# KiCad board AmigaPCI 68040.kicad_pcb (continued)
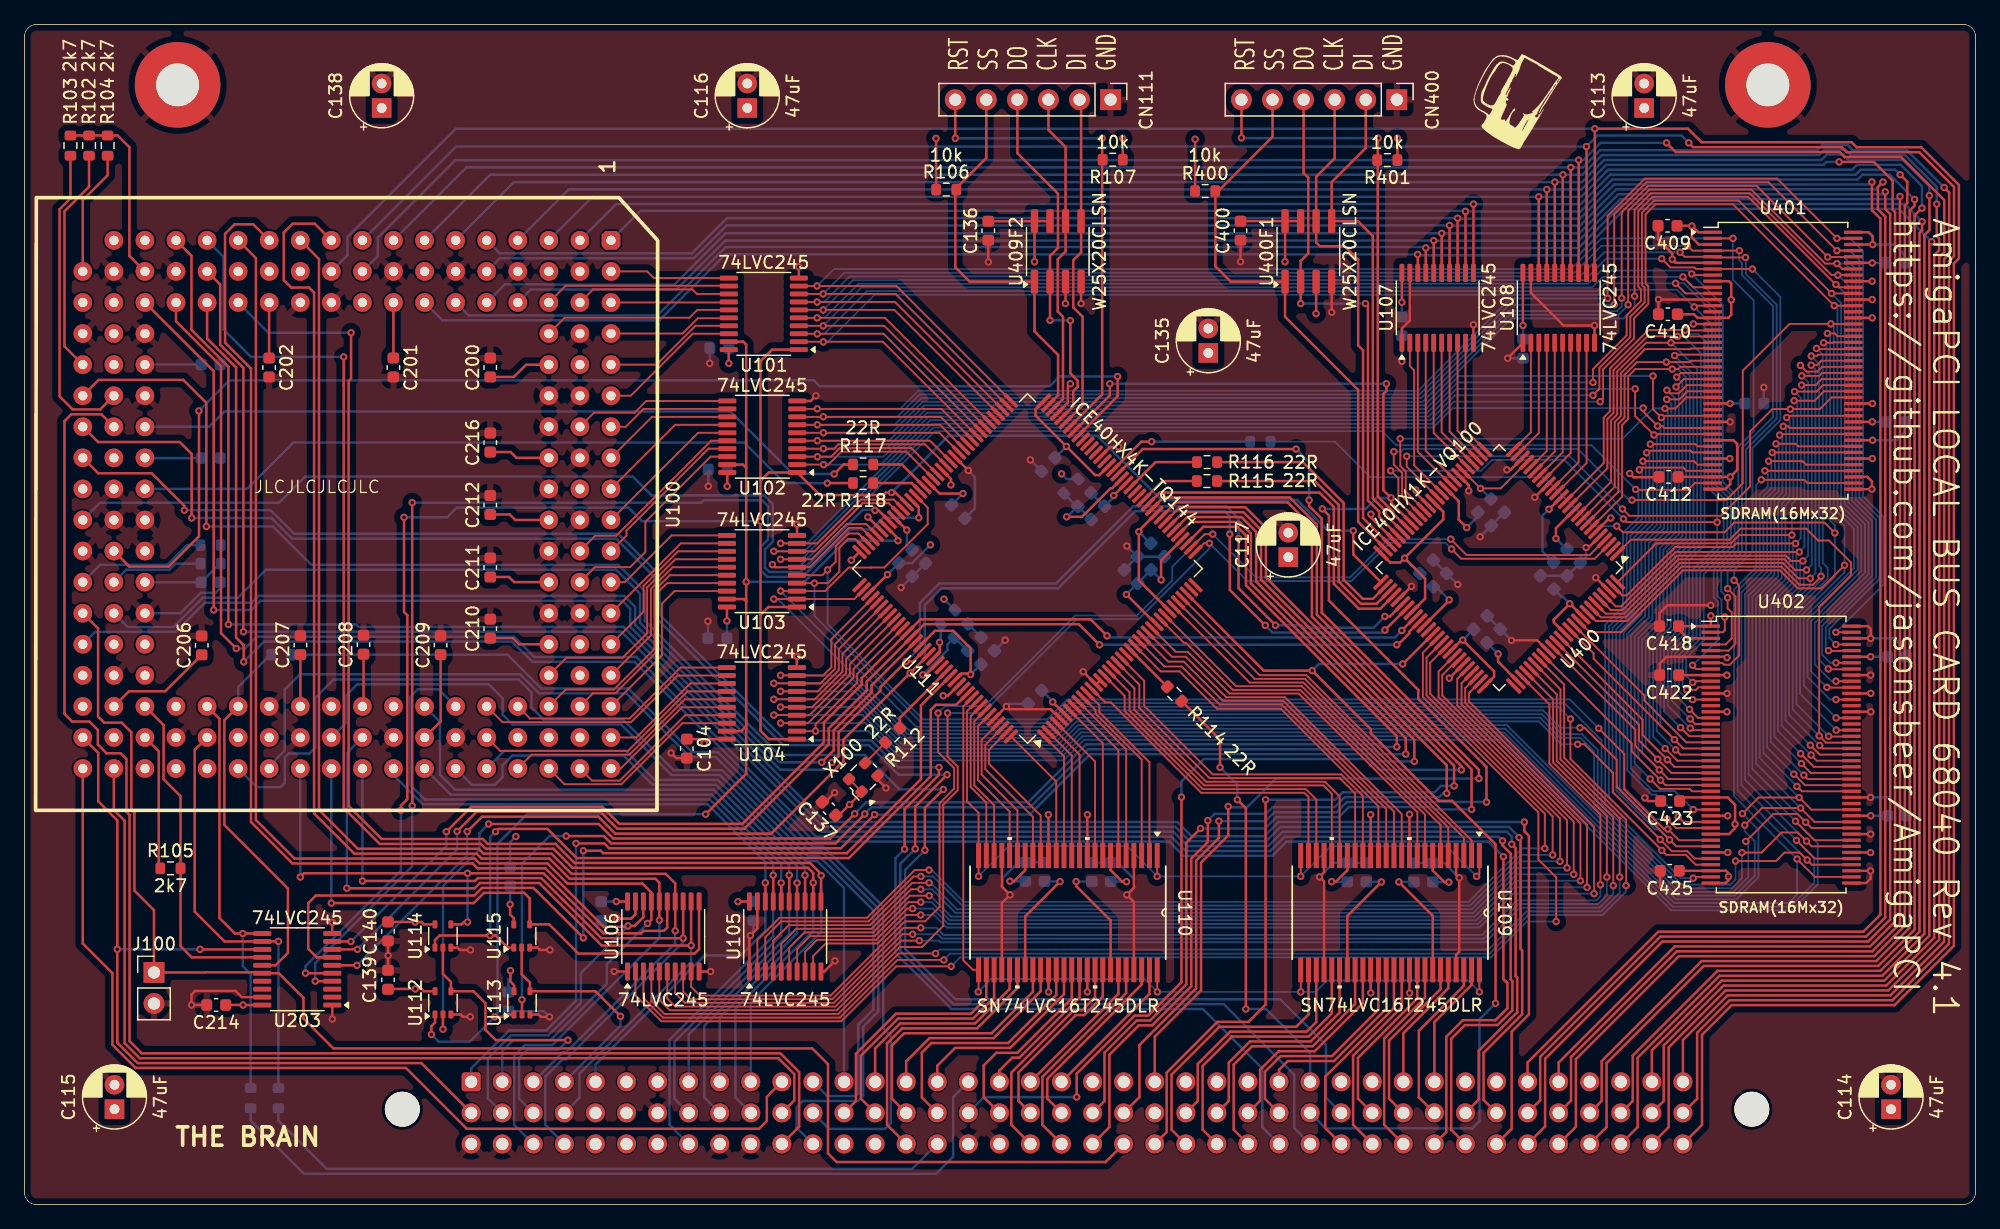
[diagram p0: board, top side]
## Routing (per net, layer and track width the routed paths; a pad name or vN(x,y) marks a point on that pad's centre or on a via; arc(x,y) is an arc through that point) (continued)
_CPURST: length 121.3
  Top w0.2: U100.151 6.29,64.6 3.83,64.6 3.27,64.04 3.27,40.11 3.9,39.48 5.31,39.48 6,38.79 6,37.6 6.71,36.89 7.86,36.89 8.34,36.41 8.34,32.1 8.59,31.85 8.59,13.36 9.59,12.36 61.79,12.36 63.33,10.83 63.33,6.36 CN100.c11
_DMA: length 64.7
  Top w0.2: U114.1 33.56,21.61 33.94,21.99 v1(38.07,21.99) 38.52,21.99 39.51,21 U115.1 ; v1(38.51,30.48) 38.73,30.71 42.75,30.71 45.14,28.32 67.4,28.32 74.09,35.01 74.09,40.43 74.51,40.85 76.16,40.85 U111.134
  Bottom w0.2: v1(38.07,21.99) 38.07,30.04 v1(38.51,30.48)
_EM0CS: length 21.5
  Top w0.15: U400.9 130,58.68 130,63.97 130.5,64.47 130.5,67.97 132.46,69.93 136.18,69.93 136.24,69.98 U401.20
_EM1CS: length 15.4
  Top w0.15: U400.90 132.43,41.6 132.43,41.2 135.85,37.78 U402.20
_EMCAS: length 58.5
  Top w0.15: v1(136.17,38.94) 136.33,38.78 U402.18 ; 137.99,70.97 135.14,70.97 v1(135.14,70.97) 135.13,70.98 132.67,70.98 129.9,68.21 129.9,64.72 129.4,64.22 129.4,60.2 U400.12
  Bottom w0.15: v1(136.17,38.94) 134.34,40.77 134.34,45.3 135.78,46.74 135.78,52.79 137.04,54.05 137.04,69.59 135.66,70.97 v1(135.14,70.97)
_EMRAS: length 58.5
  Top w0.15: U400.10 129.7,59.09 129.7,64.09 130.2,64.59 130.2,68.09 132.57,70.45 v1(134.6,70.45) 134.6,70.45 137.97,70.45 ; v1(135.39,38.99) 136.09,38.28 U402.19
  Bottom w0.15: v1(135.39,38.99) 134.04,40.34 134.04,45.42 135.48,46.86 135.48,52.92 136.74,54.17 136.74,68.31 v1(134.6,70.45)
_EMWE: length 59.3
  Top w0.15: U402.17 136.58,39.28 v1(136.16,39.7) ; U400.13 129.1,60.61 129.1,64.34 129.6,64.84 129.6,68.34 132.76,71.5 135.75,71.5 v1(135.76,71.49) 135.79,71.46 137.98,71.46
  Bottom w0.15: 137.34,69.51 137.34,70.67 136.87,71.14 136.11,71.14 v1(135.76,71.49) ; 137.34,69.51 137.34,70.23 ; 137.34,69.51 137.34,53.92 136.08,52.67 136.08,46.61 134.64,45.17 134.64,41.22 v1(136.16,39.7)
_IPL0: length 139.9
  Top w0.2: v1(71.95,29.05) 71.95,32.31 74.76,35.12 v1(74.76,35.74) ; v1(13.07,56.76) 13.07,57.11 10.4,59.78 6.03,59.78 U100.169
  Bottom w0.2: v1(13.07,56.76) 20.12,56.76 22.05,54.83 48.53,54.83 51.92,51.45 51.92,48.23 62.2,37.95 69.21,37.95 71.42,35.74 v1(74.76,35.74) ; v1(71.95,29.05) 71.2,28.3 71.2,20.56 75.78,15.98 96.33,15.98 101.19,11.12 101.19,6.32 CN100.c27
_IPL1: length 146
  Top w0.2: v1(72.82,29.07) 72.82,32.54 v1(75.42,35.14) ; v1(13.67,56.12) 13.67,61.36 12.7,62.33 6.02,62.33 U100.168
  Bottom w0.2: v1(75.42,35.14) 71.46,35.14 69.04,37.55 62.03,37.55 51.52,48.06 51.52,51.28 48.37,54.43 21.88,54.43 20.19,56.12 v1(13.67,56.12) ; CN100.c28 103.8,6.25 103.8,10.62 98.04,16.38 75.94,16.38 71.6,20.73 71.6,27.85 v1(72.82,29.07)
_IPL2: length 150.1
  Top w0.2: v1(73.61,28.96) 73.61,32.43 v1(75.12,33.94) ; v1(14.87,55.43) 14.87,65.53 12.99,67.41 6.06,67.41 U100.167
  Bottom w0.2: v1(14.87,55.43) 20.32,55.43 23.45,52.29 48.53,52.29 50.72,50.11 50.72,47.73 61.7,36.75 68.71,36.75 71.53,33.94 v1(75.12,33.94) ; v1(73.61,28.96) 72,27.35 72,20.89 76.11,16.78 102.66,16.78 106.4,13.04 106.4,8.73 CN100.b29
_LBEN: length 28.6
  Top w0.2: U400.54 110.84,48.71 109.08,48.71 107.04,50.75 107.04,57.03 105.86,58.2 92.8,58.2 U111.48
_LLBE: length 72.1
  Top w0.15: v1(136.12,40.48) 136.82,39.78 U402.16 ; v1(138.37,55.78) 130.98,55.78 v1(130.71,56.05) ; U401.16 v1(136.43,71.98) ; U400.42 112.32,57.48 112.32,59.36 v1(111.69,59.99)
  Bottom w0.15: v1(130.71,56.05) 125.89,60.87 119.97,60.87 119.08,59.99 v1(111.69,59.99) ; v1(136.43,71.98) 137.1,71.98 137.64,71.44 137.64,58.6 138.37,57.86 v1(138.37,55.78) 138.37,53.89 136.38,51.9 136.38,46.49 134.94,45.05 134.94,41.66 v1(136.12,40.48)
_LMBE: length 93.8
  Top w0.15: v1(148.1,39.78) U402.71 ; U400.41 112.62,57.88 112.62,59.82 111.94,60.49 v1(111.94,61.55) ; v1(131.41,57.59) 139.11,57.59 140.47,58.95 140.47,68.17 144.29,71.99 v1(147.68,71.99) 147.69,71.98 U401.71
  Bottom w0.15: v1(111.94,61.55) 112.52,61.55 112.75,61.77 126.98,61.77 131.16,57.59 v1(131.41,57.59) ; v1(148.1,39.78) 145.45,42.43 145.45,47.93 149.56,52.03 149.56,55.25 147.91,56.9 147.91,71.76 v1(147.68,71.99)
_LOCK: length 82.2
  Top w0.2: U100.162 7.31,32.25 8.19,31.37 8.19,13.19 9.42,11.96 61.63,11.96 62.93,10.66 62.93,8.5 CN100.b11
_RESET: length 82.8
  Top w0.2: U400.63 112.69,44.19 v1(112.67,44.19) ; U111.34 101.3,43.65 v1(105.27,43.65) 110.07,38.85 110.07,38.53 115.59,33 116.71,33 120.26,29.45 v1(120.26,16.45)
  Bottom w0.2: v1(105.27,43.65) 105.81,44.19 v1(112.67,44.19) ; CN100.b28 106.37,6.22 118.36,6.22 118.95,6.81 118.95,15.14 v1(120.26,16.45)
_RSTOUT: length 171.8
  Top w0.2: U100.129 15.47,68.12 v1(15.47,48.6) ; CN100.c34 121.58,6.19 121.58,14.13 122.99,15.54 122.99,30.14 122.62,30.51 v1(122.62,31.27)
  Bottom w0.2: v1(122.62,31.27) 102.51,31.27 101.35,30.1 95.42,30.1 94.25,31.27 65.48,31.27 49.52,47.24 49.52,48.7 48.87,49.35 19.3,49.35 18.55,48.6 v1(15.47,48.6)
_TA-CPU: length 138.8
  Top w0.2: v1(66.01,36.14) 66.55,36.68 66.55,38.6 69.98,42.02 69.98,42.3 v1(72.07,44.4) 72.64,44.4 U111.124 ; v1(99.25,54.45) 99.25,50.38 v1(102.27,47.36) ; v1(111.21,48.07) 111.62,48.07 U400.56
  Bottom w0.2: v1(72.07,44.4) 73.2,45.53 73.2,49.17 74.8,50.77 84.33,50.77 90.64,57.08 98.26,57.08 99.25,56.09 v1(99.25,54.45) ; v1(66.01,36.14) 65.43,35.55 61.77,35.55 49.92,47.4 49.92,48.87 49.03,49.75 19.13,49.75 18.58,49.2 14.74,49.2 12.35,46.81 5.78,46.81 U100.175 ; v1(111.21,48.07) 110.29,47.16 104.6,47.16 104.4,47.36 v1(102.27,47.36)
_TACK: length 93.8
  Top w0.2: v1(118.3,32.3) 118.3,35.57 105.65,48.22 105.65,55.59 103.43,57.8 93.11,57.8 U111.47 ; CN100.b21 88.29,8.47 88.29,12.42 90.92,15.05 92.02,15.05 94.98,18.01 94.98,29.59 v1(96.14,30.74)
  Bottom w0.2: v1(96.14,30.74) 101.42,30.74 102.35,31.67 107.44,31.67 108.27,32.5 115.1,32.5 115.3,32.3 v1(118.3,32.3)
_TBI: length 95.1
  Top w0.2: v1(98.41,32.54) 98.41,30.17 96.18,27.95 96.18,17.51 92.4,13.72 CN100.a23 ; v1(118.9,34.82) 118.9,35.54 106.05,48.39 106.05,56.07 105.02,57.1 v1(105.02,57.58) ; U111.55 91.41,61.76 v1(103.95,61.76)
  Bottom w0.2: v1(118.9,34.82) 102.3,34.82 99.95,32.47 98.48,32.47 v1(98.41,32.54) ; v1(103.95,61.76) 105.02,60.69 v1(105.02,57.58)
_TBI-CPU: length 101.6
  Top w0.2: v1(14.26,64.88) 14.27,64.87 14.27,54.63 11.79,52.15 8.58,52.15 U100.155 ; U111.64 89.36,66.08 v1(89.36,67.7)
  Bottom w0.2: v1(89.36,67.7) 84.62,67.7 83.82,66.9 65.02,66.9 64.54,67.37 16.75,67.37 v1(14.26,64.88)
_TCI: length 86.2
  Top w0.2: v1(101.46,33.09) 101.46,16.33 100.06,14.93 97.52,14.93 93.37,10.79 93.37,5.93 CN100.c23 ; U111.44 94.43,57 99.81,57 101.49,55.32 101.49,51.25 116.87,35.87 v1(116.87,34.22)
  Bottom w0.2: v1(101.46,33.09) 107.16,33.09 107.77,33.7 115.28,33.7 115.8,34.22 v1(116.87,34.22)
_TCI-CPU: length 77.1
  Top w0.2: U111.101 69.81,56.75 v1(69.53,56.75)
  Bottom w0.2: U100.171 6.18,57.37 20.82,57.37 22.96,59.51 49.73,59.51 51.27,57.97 60.47,57.97 61.18,57.26 61.18,54.19 60.54,53.55 60.54,52.06 60.89,51.71 63.45,51.71 68.54,56.8 69.48,56.8 v1(69.53,56.75)
_TEA: length 87.8
  Top w0.2: CN100.c21 88.69,6.33 88.69,12.25 91.09,14.65 92.19,14.65 95.38,17.84 95.38,28.28 96.74,29.63 v1(96.74,31.39) ; U111.43 94.74,56.6 99.64,56.6 101.09,55.16 101.09,51.09 116.27,35.91 v1(116.27,33.62)
  Bottom w0.2: v1(96.74,31.39) 97.29,31.94 101.49,31.94 102.03,32.48 107.12,32.48 107.94,33.3 115.65,33.3 115.97,33.62 v1(116.27,33.62)
_TEA-CPU: length 81.3
  Top w0.2: v1(65.18,36.15) 66.15,37.13 66.15,38.76 69.25,41.86 69.25,42.43 U111.122
  Bottom w0.2: U100.157 8.44,47.21 12.19,47.21 14.57,49.6 17.45,49.6 19.74,51.89 48.37,51.89 50.32,49.94 50.32,47.57 61.73,36.15 v1(65.18,36.15)
_TS: length 102
  Top w0.2: v1(86.02,8.78) 86.02,10.71 90.76,15.45 91.86,15.45 94.58,18.17 v1(94.58,33.3) ; U111.45 94.13,57.4 103.27,57.4 105.25,55.42 105.25,48.06 117.47,35.84 v1(117.47,35.53)
  Bottom w0.2: v1(86.02,8.78) 78.45,8.78 CN100.b17 ; v1(117.47,35.53) 110.74,35.53 109.85,36.42 96.41,36.42 94.58,34.59 v1(94.58,33.3)
_TS-3V: length 119.8
  Top w0.2: 66.95,37.88 66.95,36.23 61.05,30.32 48.3,30.32 46.91,31.71 37.41,31.71 v1(36.19,30.48) ; 66.95,37.88 66.95,38.01 ; 66.95,37.88 66.95,38.01 ; 66.95,38.01 v1(72.4,43.45) U111.125 ; v1(27.18,19.55) 27.17,19.56 25.16,19.56 ; v1(98.54,54.8) 98.54,50.25 v1(101.43,47.35) ; 113.01,48.75 v1(111.22,46.96)
  Bottom w0.2: v1(72.4,43.45) 73.6,44.65 73.6,49 74.97,50.37 84.49,50.37 90.8,56.68 98.09,56.68 98.54,56.24 v1(98.54,54.8) ; v1(101.43,47.35) 102.02,46.76 111.01,46.76 v1(111.22,46.96) ; v1(36.19,30.48) 36.19,28.56 v1(27.18,19.55)
_TS-CPU: length 27.9
  Top w0.2: U100.142 11.38,39.19 11.38,34.76 12.76,33.38 R105.2 12.76,21.12 13.67,20.21 U203.14
_UMBE: length 71
  Top w0.15: v1(134.11,65.08) 134.96,65.08 135.86,65.98 U401.28 ; U402.28 136.33,33.78 136.13,33.98 133.71,33.98 v1(132.9,34.79) ; v1(112.47,62.6) 112.47,62.6 112.47,60.38 112.92,59.94 112.92,58.29 U400.40
  Bottom w0.15: v1(112.47,62.6) 130.65,62.6 133.13,65.08 v1(134.11,65.08) 134.34,64.85 134.34,55.17 133.08,53.91 133.08,47.86 131.63,46.4 131.63,36.06 v1(132.9,34.79)
_UUBE: length 87.3
  Top w0.15: v1(113,61.17) 113,60.33 U400.37 ; U402.59 145.31,33.78 v1(144.9,34.19) ; v1(130.64,56.86) 131.2,56.31 138.67,56.31 141.07,58.7 141.07,63.2 142.89,65.03 v1(144.36,65.03) 146.77,65.03 147.73,65.98 U401.59
  Bottom w0.15: v1(113,61.17) 126.33,61.17 v1(130.64,56.86) ; v1(144.36,65.03) 144.61,64.78 144.61,57.82 143.96,57.17 143.96,51.1 142.15,49.29 142.15,36.94 v1(144.9,34.19)
A0: length 48.8
  Top w0.2: v1(22.55,26.77) 22.86,27.08 v1(36.22,27.08) 42.42,27.08 47.33,22.17 50.41,22.17 50.61,22.37 52.27,22.37 52.55,22.65 U106.15 ; U114.4 35.73,22.9 35.92,23.09 v1(36.22,23.09)
  Bottom w0.2: v1(36.22,23.09) v1(36.22,27.08) ; v1(22.55,26.77) U100.102
A0_OUT: length 126.5
  Top w0.2: U112.2 v1(34.21,14.33) ; v1(67.87,31.94) 65.85,29.92 48.13,29.92 46.94,31.11 v1(37.94,31.11) ; v1(112.19,37.42) 112.19,38.29 99.86,50.62 99.86,54.69 99.15,55.4 96.37,55.4 U111.39
  Bottom w0.2: 34.22,24.66 34.22,26.03 37.2,29.01 37.2,30.36 v1(37.94,31.11) ; 34.22,24.66 v1(34.21,14.33) ; 34.22,24.66 34.22,25.55 ; v1(112.19,37.42) 110.95,37.42 110.75,37.62 86.78,37.62 82.04,32.88 68.79,32.88 67.87,31.95 v1(67.87,31.94)
A1: length 48.8
  Top w0.2: v1(25.09,24.64) 36.73,24.64 37.57,25.48 40.85,25.48 41.3,25.03 U115.4 42.9,22.9 45.29,20.51 54.78,20.51 55.15,20.88 U106.11
  Bottom w0.2: U100.96 v1(25.09,24.64)
A1_OUT: length 119.4
  Top w0.2: 68.7,31.93 66.3,29.52 47.96,29.52 47.36,30.12 v1(44.29,30.12) ; v1(112.92,36.82) 112.92,38.13 101.95,49.09 100.26,50.79 100.26,54.86 99.31,55.8 95.35,55.8 U111.41 ; 40.67,15.35 40.67,16.74 v1(40.67,16.74)
  Bottom w0.2: v1(44.29,30.12) 42.93,30.12 40.67,27.86 v1(40.67,16.74) ; v1(68.7,31.93) 69.24,32.48 82.21,32.48 86.95,37.22 110.32,37.22 110.72,36.82 112.91,36.82 v1(112.92,36.82)
A2: length 64.9
  Top w0.2: v1(26.35,25.86) 26.36,25.85 36.8,25.85 37.23,26.28 42.09,26.28 47.2,21.17 v1(54.5,21.17) U106.12
  Bottom w0.2: CN100.b4 45.37,8.72 45.37,10.7 54.5,19.83 v1(54.5,21.17) ; U100.89 26.35,36.9 v1(26.35,25.86)
A3: length 63.4
  Top w0.2: v1(27.63,26.45) 36.84,26.45 37.07,26.68 42.25,26.68 44.26,24.67 ; 44.26,24.67 47.16,21.77 v1(53.85,21.77) U106.13 ; 44.26,24.67 43.86,25.07
  Bottom w0.2: v1(27.63,26.45) U100.90 ; CN100.c4 42.57,6.52 42.57,10.44 44,11.87 44.27,11.87 53.85,21.45 v1(53.85,21.77)
A4: length 60.3
  Top w0.2: v1(60.57,26.3) 60.57,24.78
  Bottom w0.2: CN100.a5 46.68,11.44 55.6,20.36 58.56,20.36 60.57,22.37 v1(60.57,26.3) 60.57,28 55.86,32.71 32.56,32.71 30.17,35.11
A5: length 58.3
  Top w0.2: v1(61.86,26.29) 61.86,24.78
  Bottom w0.2: U100.78 34.84,33.51 56.19,33.51 61.86,27.84 v1(61.86,26.29) 61.86,22.02 53.13,13.29 53.13,8.66 CN100.b8
A6: length 61
  Top w0.2: v1(62.52,26.92) 62.52,26.7 62.51,26.7 62.51,24.77
  Bottom w0.2: CN100.a8 54.3,13.89 62.52,22.11 v1(62.52,26.92) 62.52,27.75 56.35,33.91 35.19,33.91 33.97,35.13 33.97,39.46 U100.76
A7: length 59.2
  Top w0.2: v1(63.16,26.29) 63.16,24.78
  Bottom w0.2: U100.72 36.58,34.31 38.46,34.31 39.08,34.93 39.08,35.89 39.89,36.7 48.97,36.7 51.36,34.31 56.52,34.31 63.16,27.67 v1(63.16,26.29) 63.16,22.19 62.06,21.08 62.09,21.12 55.58,14.61 55.58,8.75 CN100.b9
A8: length 53.2
  Top w0.2: v1(63.81,26.92) 63.81,26.92 U105.13
  Bottom w0.2: U100.66 39.25,37.1 49.13,37.1 51.53,34.71 56.68,34.71 63.81,27.59 v1(63.81,26.92) 63.81,22.27 56.84,15.3 CN100.a9
A9: length 73.4
  Top w0.2: v1(61.21,26.92) 61.21,26.92 61.21,24.77
  Bottom w0.2: U100.70 33.85,42.12 32.15,42.12 31.53,41.5 31.53,34.31 32.73,33.11 56.02,33.11 61.21,27.93 v1(61.21,26.92) 61.21,21.93 52.73,13.46 52.73,6.52 CN100.c8
A10: length 120.3
  Top w0.2: 64.48,24.79 v1(64.48,26.31) 64.48,27.1 64.06,27.52 44.81,27.52 43.25,29.08 37.7,29.08 37.3,29.48 29.04,29.48 26.1,32.42 26.1,66.95 26.1,66.95 v1(26.1,69.29)
  Bottom w0.2: v1(64.48,26.31) 64.48,22.37 58.12,16.01 58.12,8.75 CN100.b10 ; v1(26.1,69.29) 18.52,69.29 16.27,71.54 16.27,77.48 U100.115
A11: length 111.4
  Top w0.2: v1(26.7,71.27) 26.7,67.5 26.5,67.3 26.5,32.59 29.2,29.88 37.47,29.88 37.87,29.48 43.41,29.48 44.97,27.92 64.22,27.92 65.13,27.02 v1(65.13,26.89) 65.11,26.88 U105.11
  Bottom w0.2: U100.111 19.94,71.27 v1(26.7,71.27) ; CN100.a10 59.38,16.55 65.13,22.3 v1(65.13,26.89)
A12: length 105.1
  Top w0.2: v1(50.94,22.98) 51.25,23.28 U106.17 51.25,25.51 50.53,26.23 44.4,26.23 42.75,27.88 37.2,27.88 36.8,28.28 22.07,28.28 18.92,31.44 18.92,77.37 U100.109
  Bottom w0.2: CN100.a2 39.06,12.54 39.95,13.43 42.99,13.43 47.61,18.05 47.61,19.64 v1(50.94,22.98)
A13: length 113
  Top w0.2: U100.103 18.7,80.13 17.18,80.13 16.4,79.35 16.4,70.46 18.52,68.34 18.52,31.27 21.91,27.88 36.64,27.88 37.04,27.48 42.58,27.48 47.36,22.71 49.27,22.71 v1(49.34,22.77) 49.88,22.77 50.6,23.49 U106.18
  Bottom w0.2: v1(49.34,22.77) 45.49,18.92 45.49,16.5 42.82,13.83 39.78,13.83 37.88,11.93 37.88,8.67 CN100.b2
A14: length 100
  Top w0.2: U100.97 24.08,77.29 24.08,32.25 27.25,29.08 37.14,29.08 37.54,28.68 43.08,28.68 44.73,27.03 52.42,27.03 53.2,26.26 U106.14 v1(53.2,22.37)
  Bottom w0.2: CN100.a3 44.02,12.45 44.02,12.47 44.3,12.47 53.2,21.36 v1(53.2,22.37)
A15: length 112.9
  Top w0.2: v1(51.91,23.25) 51.9,23.26 U106.16 51.9,26.31 51.58,26.63 44.57,26.63 42.92,28.28 37.37,28.28 36.97,28.68 26.97,28.68 23.68,31.97 23.68,74.54 23.26,74.96 21.81,74.96 21.2,75.57 21.2,79.45 21.93,80.18 23.73,80.18 U100.91
  Bottom w0.2: v1(51.91,23.25) 51.91,21.79 43.15,13.03 40.92,13.03 40.03,12.15 40.03,6.52 CN100.c3
A16: length 248
  Top w0.2: U108.11 128.35,79.77 128.37,79.8 v1(128.37,87.95) 135.99,87.95 137.1,86.84 149.37,86.84 149.78,86.43 155.06,86.43 158.14,83.35 158.14,77.34 157.73,76.93 157.73,21.16 152.87,16.3 139.56,16.3 137.14,13.88 137.14,6.51 CN100.c40
  Bottom w0.2: v1(128.37,87.95) 35.26,87.95 26.41,79.1 26.41,77.6 U100.92
A17: length 238.4
  Top w0.2: v1(127.69,86.49) 127.7,86.48 U108.12 ; v1(136.06,86.79) 136.41,86.44 148.55,86.44 148.96,86.03 154.89,86.03 157.74,83.19 157.74,77.54 157.33,77.13 157.33,21.32 152.71,16.7 139.4,16.7 136.74,14.04 136.74,8.65 CN100.b40
  Bottom w0.2: v1(136.06,86.79) 135.46,87.39 128.59,87.39 v1(127.69,86.49) 35.3,86.49 U100.85
A18: length 230.2
  Top w0.2: v1(156.93,83.15) 157.34,82.74 157.34,77.7 156.93,77.29 156.93,21.49 152.54,17.1 139.23,17.1 135.58,13.45 CN100.a40 ; v1(126.41,84.78) 126.4,84.77 U108.14
  Bottom w0.2: v1(156.93,83.15) 153.88,86.19 149.46,86.19 149.02,86.63 146.97,86.63 146.53,86.19 128.81,86.19 127.4,84.78 v1(126.41,84.78) 36.13,84.78 U100.79
A19: length 240.6
  Top w0.2: CN100.c39 134.41,6.33 134.41,12.85 139.07,17.5 152.38,17.5 156.53,21.65 156.53,77.46 156.94,77.87 156.94,82.11 153.42,85.63 148.8,85.63 148.39,86.04 134.99,86.04 v1(134.24,86.79) ; U108.13 127.05,79.92 127.06,79.93 v1(127.06,85.38)
  Bottom w0.2: v1(134.24,86.79) 128.84,86.79 127.43,85.38 v1(127.06,85.38) 35.23,85.38 28.89,79.04 28.89,77.54 U100.86
A20: length 229.3
  Top w0.2: v1(125.77,84.18) 125.75,84.16 U108.15 ; CN100.b39 134.01,8.47 134.01,13.01 138.9,17.9 152.21,17.9 156.12,21.81 156.12,77.61 156.52,78.01 156.52,78.97 156.33,79.16 v1(156.33,81.78)
  Bottom w0.2: U100.73 38.07,84.18 v1(125.77,84.18) 127.36,84.18 128.97,85.79 146.7,85.79 147.14,86.23 148.85,86.23 149.29,85.79 153.72,85.79 156.33,83.18 v1(156.33,81.78)
A21: length 228.4
  Top w0.2: U108.16 125.1,83.57 v1(125.11,83.58) ; v1(155.72,82.48) 155.73,82.47 155.73,79.66 155.32,79.25 155.32,22.14 151.88,18.7 138.57,18.7 131.87,12.01 131.87,6.33 CN100.c38
  Bottom w0.2: v1(155.72,82.48) 155.72,83.23 153.55,85.39 149.13,85.39 148.69,85.83 147.33,85.83 146.89,85.39 129.14,85.39 127.33,83.58 v1(125.11,83.58) 40.01,83.58 U100.67
A22: length 216.2
  Top w0.2: v1(151.03,83.59) 151.03,81.28 151.72,80.6 151.72,23.69 150.33,22.3 133.57,22.3 122.88,11.61 CN100.a35 ; U107.13 117.15,80.62 v1(117.17,80.63)
  Bottom w0.2: v1(151.03,83.59) 150.83,83.39 129.97,83.39 127.17,80.59 117.21,80.59 v1(117.17,80.63) 117.16,80.64 57.44,80.64 54.55,77.76 38.85,77.76 U100.61
A23: length 216.2
  Top w0.2: v1(113.89,77.67) 113.9,77.66 U107.18 ; v1(155.92,78.7) 155.72,78.5 155.72,21.98 152.04,18.3 138.74,18.3 133.04,12.61 CN100.a39
  Bottom w0.2: U100.75 34.17,72.28 51.9,72.28 57.29,77.67 v1(113.89,77.67) 113.96,77.6 127.03,77.6 130.82,81.39 153.23,81.39 v1(155.92,78.7)
A24: length 217
  Top w0.2: U108.17 v1(124.45,82.98) ; v1(148.35,85.23) 151.19,85.23 152.72,83.7 152.72,81.34 152.92,81.14 152.92,23.14 150.89,21.1 134.91,21.1 125.42,11.61 CN100.a36
  Bottom w0.2: v1(148.35,85.23) 147.3,85.23 147.06,84.99 129.3,84.99 127.29,82.98 v1(124.45,82.98) 44.49,82.98 U100.55
A25: length 217.6
  Top w0.2: 114.55,76.17 114.55,78.2 v1(114.56,78.2) ; CN100.b38 131.47,8.47 131.47,12.17 138.4,19.1 151.71,19.1 154.92,22.31 154.92,79.42 155.13,79.63 v1(155.13,80.35)
  Bottom w0.2: v1(155.13,80.35) 153.69,81.79 130.63,81.79 127.04,78.2 v1(114.56,78.2) 114.49,78.27 57.33,78.27 51.74,72.68 36.31,72.68 U100.69
A26: length 219.5
  Top w0.2: v1(151.93,83.59) 151.52,83.18 151.52,81.36 152.12,80.76 152.12,23.47 150.55,21.9 133.73,21.9 123.91,12.08 123.91,8.52 CN100.b35 ; v1(116.5,80.04) 116.5,77.02 116.5,77.01 U107.14
  Bottom w0.2: U100.62 38.87,77.36 54.72,77.36 57.4,80.04 v1(116.5,80.04) 116.51,80.03 127.17,80.03 130.13,82.99 151.33,82.99 v1(151.93,83.59)
A27: length 219.6
  Top w0.2: 123.79,76.18 v1(123.79,82.38) ; CN100.c37 129.33,6.33 129.33,11.56 137.28,19.5 151.55,19.5 154.52,22.47 154.52,80.86 v1(155.12,81.46)
  Bottom w0.2: v1(155.12,81.46) 155.12,83.26 153.39,84.99 149.81,84.99 149.41,84.59 129.47,84.59 127.26,82.38 v1(123.79,82.38) 46.43,82.38 U100.37
A28: length 221.5
  Top w0.2: v1(115.86,79.39) 115.85,79.39 U107.15 ; CN100.c35 124.31,6.38 124.31,11.91 133.9,21.5 150.72,21.5 152.52,23.3 152.52,80.98 152.12,81.38 v1(152.12,82.79)
  Bottom w0.2: v1(152.12,82.79) 151.92,82.59 130.3,82.59 127.1,79.39 v1(115.86,79.39) 115.85,79.4 57.33,79.4 53.13,75.2 42.62,75.2 42.61,75.22 39.27,75.22 U100.63
A29: length 216.7
  Top w0.2: CN100.c36 126.83,6.36 126.83,11.88 135.25,20.3 151.22,20.3 153.72,22.8 153.72,81.67 153.92,81.87 153.92,83.61 v1(153.34,84.19) ; v1(118.45,81.78) 118.45,81.78 118.45,76.17
  Bottom w0.2: v1(153.34,84.19) 152.94,84.59 150.09,84.59 149.69,84.19 129.63,84.19 127.22,81.78 v1(118.45,81.78) 118.44,81.79 48.38,81.79 U100.19
A30: length 215.1
  Top w0.2: v1(153.32,82.41) 153.32,22.97 151.05,20.7 135.08,20.7 126.43,12.05 126.43,8.5 CN100.b36 ; U107.16 115.2,78.79 115.21,78.79 v1(115.21,78.8)
  Bottom w0.2: U100.57 41.39,74.8 53.29,74.8 57.29,78.8 v1(115.21,78.8) 115.22,78.79 127.06,78.79 130.46,82.19 153.1,82.19 v1(153.32,82.41)
A31: length 208.7
  Top w0.2: U107.12 117.8,81.19 v1(117.8,81.19) ; v1(154.52,82.16) 154.52,81.66 154.12,81.26 154.12,22.64 151.38,19.9 137.11,19.9 128.93,11.72 128.93,8.47 CN100.b37
  Bottom w0.2: v1(154.52,82.16) 152.49,84.19 150.26,84.19 149.86,83.79 129.8,83.79 127.19,81.18 117.86,81.18 117.85,81.19 v1(117.8,81.19) 117.76,81.23 50.36,81.23 U100.1
AA0: length 25.7
  Top w0.2: 34.21,20.82 34.21,18.85 34.86,18.2 U112.4 36.71,17.44 37.68,16.46 37.68,14.29 38.53,13.44 v1(44.43,13.44)
  Bottom w0.2: CN100.b3 40.43,8.66 40.43,11.98 41.08,12.63 43.62,12.63 v1(44.43,13.44)
AA1: length 19.3
  Top w0.2: v1(48.72,15.39) 46.68,17.44 U113.4 41.32,18.15 40.65,18.82 U115.2
  Bottom w0.2: v1(48.72,15.39) 48.72,14.62 CN100.a4
BANK0: length 58.8
  Top w0.15: U402.22 135.36,36.78 v1(134.98,37.17) ; U401.22 136.23,68.98 136.12,68.87 134.22,68.87 v1(134.22,68.87) 131.83,68.87 130.8,67.84 130.8,64.35 130.3,63.85 130.3,58.27 U400.8
  Bottom w0.15: v1(134.22,68.87) 135.01,68.87 136.14,67.74 136.14,54.42 134.88,53.17 134.88,47.11 133.44,45.67 133.44,38.71 v1(134.98,37.17)
BANK1: length 58.7
  Top w0.15: U400.7 130.6,57.87 130.6,63.72 131.1,64.22 131.1,67.72 131.68,68.3 v1(134.7,68.3) 135.19,68.3 135.38,68.48 U401.23 ; v1(134.13,37.27) 135.12,36.28 U402.23
  Bottom w0.15: 135.84,67.61 135.15,68.3 v1(134.7,68.3) ; 135.84,67.61 135.84,67.11 ; 135.84,67.61 135.84,67.11 ; 135.84,67.11 135.84,54.55 134.58,53.29 134.58,47.24 133.14,45.79 133.14,38.27 v1(134.13,37.27)
BCLKA: length 60.8
  Top w0.2: R117.2 66.97,60.5 v1(66.19,59.72)
  Bottom w0.2: v1(66.19,59.72) 62.81,59.72 57.7,64.83 16.35,64.83 15.1,63.58 U100.133
BCLKB: length 22.4
  Top w0.2: U400.53 110.54,49.11 109.24,49.11 107.44,50.92 107.44,57.19 105.49,59.14 R115.2
BCLKC: length 36.4
  Top w0.2: v1(99.85,15.98) 99.85,32.39 v1(99.15,33.09) ; R114.2 97.74,38.01 v1(97.74,35.74)
  Bottom w0.2: CN100.a28 105.1,12.38 101.5,15.98 v1(99.85,15.98) ; v1(99.15,33.09) 99.15,34.33 v1(97.74,35.74)
BUFDIR: length 65
  Top w0.15: U110.1 92.6,26.84 v1(92.6,26.83) ; U109.24 104.33,26.84 v1(104.33,26.83) ; U111.136 77.05,40.33 77.05,32.96 78,32.02 U110.24 78,26.84 v1(78,26.83) ; U109.1 118.94,27.06 v1(118.71,26.83)
  Bottom w0.15: v1(78,26.83) 80.46,29.3 90.13,29.3 v1(92.6,26.83) v1(104.33,26.83) 106.79,29.3 116.24,29.3 v1(118.71,26.83)
CDONE: length 125.2
  Top w0.2: v1(97.65,31.34) 97.65,29.98 95.78,28.11 95.78,17.68 91.15,13.04 91.15,8.78 CN100.b22 ; v1(106.1,56.87) 106.64,56.33 106.64,49.37 113.94,42.07 113.94,41.34 119.52,35.77 v1(119.52,32.9) ; U111.65 88.73,66.15 v1(88.73,67.1) ; v1(111.34,67.1) 111.34,66.52 111.09,66.27 111.09,58.39 v1(111.72,57.76) 111.72,57.37 U400.43
  Bottom w0.2: v1(97.65,31.34) 101.45,31.34 102.18,32.07 107.27,32.07 108.1,32.9 v1(119.52,32.9) ; v1(106.1,56.87) 106.11,56.86 109.65,56.86 110.55,57.76 v1(111.72,57.76) ; v1(88.73,67.1) v1(111.34,67.1)
D0: length 15.3
  Top w0.15: U100.39 44.24,75.11 57.55,75.11
D1: length 12.8
  Top w0.15: U100.21 46.48,74.81 54.6,74.81 54.97,74.44 U101.13
D2: length 15.5
  Top w0.15: U100.40 44.16,72.5 54.36,72.5 55,73.14 57.58,73.14
D3: length 9.9
  Top w0.15: U100.2 50.91,76.28 51.45,75.74 U101.11
D4: length 9.6
  Top w0.15: U100.3 57.53,73.74
D5: length 10.1
  Top w0.15: 57.55,72.46 55.05,72.46 53.79,71.2 U100.4
D6: length 10.9
  Top w0.15: U100.5 51.68,68.66 54.85,71.84 U101.17
D7: length 11.7
  Top w0.15: U101.18 54.63,71.19 49.56,66.12 U100.6
D8: length 12.9
  Top w0.15: U100.25 46.56,64.74 49.88,64.74 50.84,65.69 57.45,65.69
D9: length 10.1
  Top w0.15: 57.45,65.04 50.61,65.04 49.15,63.58 U100.7
D10: length 10.9
  Top w0.15: 57.45,64.39 51.3,64.39 U100.8
D11: length 11.7
  Top w0.15: U100.9 53.19,63.74 57.45,63.74
D12: length 12.5
  Top w0.15: U100.10 55.08,63.09 57.45,63.09
D13: length 13.2
  Top w0.15: 57.45,61.79 55.92,61.79 55.48,61.35 55.47,61.35 49.22,55.1 49.22,54.69 U100.11
D14: length 11.1
  Top w0.15: U103.11 52.89,54.7 49.08,50.88 U100.12
D15: length 11.8
  Top w0.15: U100.13 53.65,54.05 U103.12
D16: length 15.8
  Top w0.15: U100.29 46.66,54.67 48.37,54.67 56.14,62.44 57.45,62.44
D17: length 13.9
  Top w0.15: U103.13 53.43,53.4 50.61,50.58 50.61,48.46 U100.14
D18: length 17.7
  Top w0.15: U100.30 46.63,52.1 49.51,52.1 50.76,53.35 50.76,55.81 56.09,61.14 57.45,61.14
D19: length 15.4
  Top w0.15: U100.15 51.21,46.52 51.21,50.33 52.98,52.1 U103.15
D20: length 15.9
  Top w0.15: U100.16 52.11,44.88 52.11,49.12 53.13,50.15 U103.18
D21: length 11.3
  Top w0.15: U104.13 54.42,42.6 50.01,38.18 U100.17
D22: length 19
  Top w0.15: U100.34 46.49,41.8 48.31,41.8 51.81,45.3 51.81,50.08 52.52,50.8 U103.17
D23: length 20.7
  Top w0.15: U100.51 44.31,44.7 48.9,44.7 50.91,46.71 50.91,50.45 53.2,52.75 57.43,52.75
D24: length 11.5
  Top w0.15: U104.16 53.75,40.65 48.74,35.64 U100.18
D25: length 21.8
  Top w0.15: U100.52 44.25,42.1 48.18,42.1 51.51,45.43 51.51,50.21 52.75,51.45 U103.16
D26: length 14.6
  Top w0.15: U100.36 46.39,34.66 48.67,34.66 54.01,40 U104.17
D27: length 19.2
  Top w0.15: U104.11 53.63,43.9 49.47,39.74 41.31,39.74 U100.58
D28: length 17.1
  Top w0.15: U100.54 44.15,34.36 48.79,34.36 53.78,39.35 U104.18
D29: length 21.7
  Top w0.15: U104.12 53.41,43.25 49.6,39.44 39.07,39.44 U100.64
D30: length 22.1
  Top w0.15: U100.65 38.89,37.08 49.33,37.08 54.2,41.95 U104.14
D31: length 19.4
  Top w0.15: U100.60 41.46,36.78 49.45,36.78 53.97,41.3 U104.15
DA0: length 10.4
  Top w0.2: U109.47 118.3,17.96 115.26,14.92 CN100.a32
DA1: length 16.3
  Top w0.2: U109.41 114.49,16.91 111.15,13.57 111.15,6.52 CN100.c31
DA2: length 10.7
  Top w0.2: CN100.a31 112.72,14 116.4,17.68 U109.44
DA3: length 13.7
  Top w0.2: CN100.b32 113.99,8.76 113.99,14.21 117.67,17.89 U109.46
DA4: length 13.9
  Top w0.2: CN100.b31 111.55,8.66 111.55,13.4 115.76,17.61 U109.43